# KiCad board keyboard - Hackpadv2.kicad_pcb (continued)
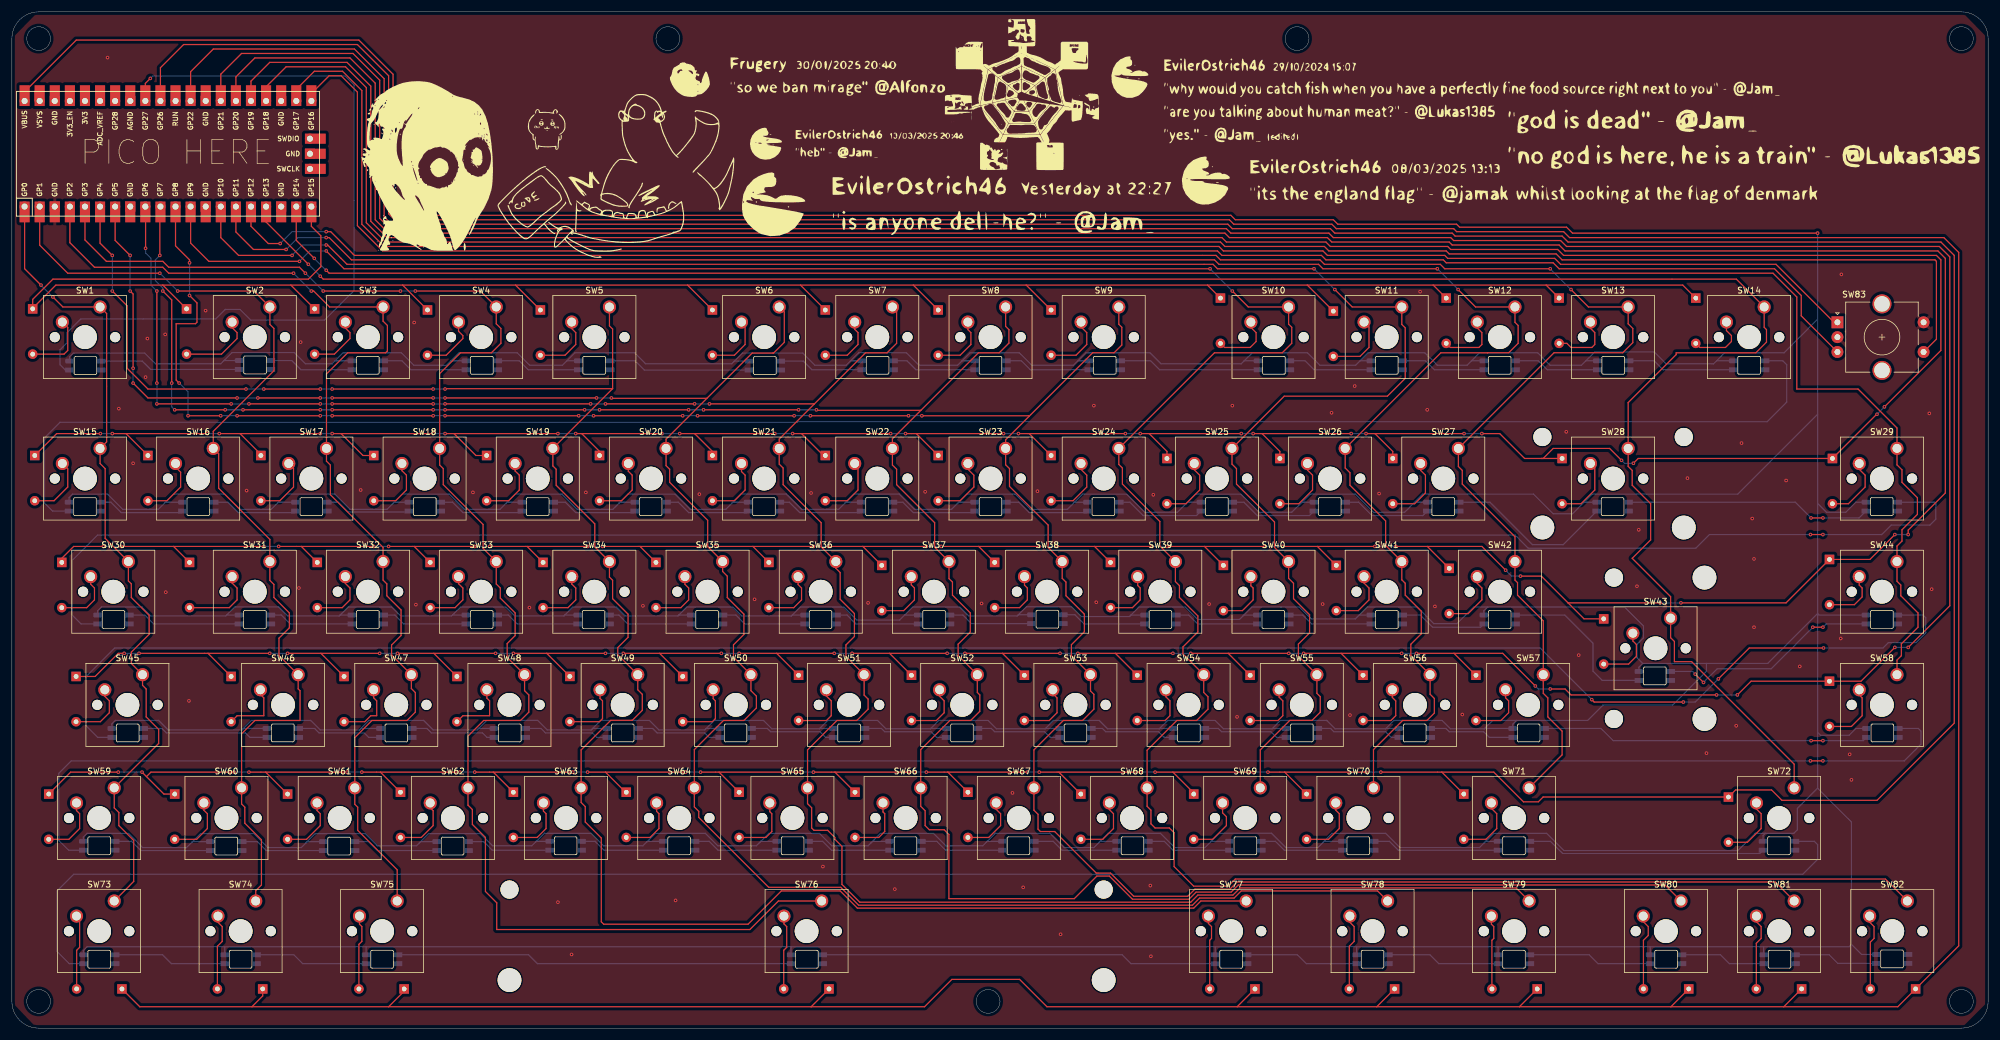
[diagram p0: board, top side]
## Routing (per net, layer and track width the routed paths; a pad name or vN(x,y) marks a point on that pad's centre or on a via; arc(x,y) is an arc through that point) (continued)
To5V: length 2544.2
  Top w0.2: v1(303.9,133.85) 262.65,133.85 261.65,134.85 243.65,134.85 243.15,135.35 223.15,135.35 222.4,136.1 205.9,136.1 205.15,136.85 64.9,136.85 64.15,137.6 64.15,160.6 58.4,166.35 10.83,166.35 2.14,157.66 U1.40
  Bottom w0.2: 253.24,51.8 249.2,51.8 247.8,50.4 ; 253.24,51.8 252.6,51.16 D139.3 247.85,50.45 247.8,50.4 ; 253.24,51.8 265.2,51.8 267.8,54.4 279.5,54.4 285.2,60.1 285.2,61.4 ; 216.9,88.35 218.45,89.9 226.1,89.9 229.15,86.85 234.4,86.85 235.9,88.35 ; 216.9,88.35 217.1,88.55 D108.3 ; 216.9,88.35 215.4,86.85 209.9,86.85 206.85,89.9 199.2,89.9 197.53,88.22 ; 247.75,31.15 249.4,32.8 258.3,32.8 261.2,29.9 290.5,29.9 293.4,32.8 295.1,32.8 ; 247.75,31.15 248.05,31.45 D153.3 ; 247.75,31.15 247,30.4 233.6,30.4 231.2,32.8 222.2,32.8 220.75,31.35 ; D120.3 169.4,69.6 169.3,69.5 ; 150.25,69.55 149.4,68.7 142.2,68.7 140,70.9 132.7,70.9 131.2,69.4 ; 150.25,69.55 151.6,70.9 159.5,70.9 161,69.4 169.2,69.4 169.3,69.5 ; 150.25,69.55 D119.3 ; 64.15,88.35 63.15,87.35 56.9,87.35 54.34,89.91 46.21,89.91 44.78,88.47 ; 64.15,88.35 65.7,89.9 73.6,89.9 76.15,87.35 82.15,87.35 83.15,88.35 ; 64.15,88.35 64.35,88.55 D100.3 ; 35.83,12.35 35.83,13.67 35.8,13.7 ; D106.3 178.85,88.55 178.78,88.47 ; D95.3 264.9,112.35 ; 264.9,112.35 266.4,113.85 276.4,113.85 278.4,111.85 286.4,111.85 286.9,112.35 ; 264.9,112.35 264.15,111.6 258.9,111.6 256.8,113.7 247,113.7 245.65,112.35 ; 197.53,88.22 197.85,88.55 200.12,88.55 ; 197.53,88.22 196.15,86.85 190.65,86.85 187.6,89.9 180.2,89.9 178.78,88.47 ; D109.3 236.1,88.55 235.9,88.35 ; D124.3 247.72,70.26 248.36,70.9 ; 38.7,50.2 40.3,51.8 50.3,51.8 51.9,50.2 58.5,50.2 ; 38.7,50.2 38.95,50.45 D128.3 ; 38.7,50.2 26.3,50.2 24.7,51.8 17.4,51.8 16.83,51.22 16.83,50.45 ; 182.95,31.25 184.5,32.8 193.3,32.8 195.7,30.4 200.8,30.4 201.75,31.35 ; 182.95,31.25 182.1,30.4 177.1,30.4 174.7,32.8 165.5,32.8 164,31.3 ; 182.95,31.25 183.15,31.45 D150.3 ; 154.6,50.4 154.65,50.45 D134.3 ; 154.6,50.4 147.1,50.4 145.7,51.8 137.3,51.8 135.9,50.4 ; 154.6,50.4 156,51.8 164.3,51.8 165.7,50.4 173.9,50.4 ; 68.6,31.2 68.1,30.7 61.5,30.7 59.45,32.75 51.05,32.75 49.5,31.2 ; 68.6,31.2 68.8,31.4 D144.3 ; 68.6,31.2 70.15,32.75 78.85,32.75 80.9,30.7 87.5,30.7 88.15,31.35 ; D84.3 35.7,112.4 35.65,112.35 ; 207.25,69.45 207.35,69.55 D122.3 ; 207.25,69.45 208.71,70.91 213.59,70.91 213.6,70.9 216.7,70.9 218.7,68.9 226.1,68.9 226.65,69.45 ; 207.25,69.45 206.6,68.8 199.6,68.8 197.5,70.9 189.7,70.9 188.25,69.45 ; D146.3 106.95,31.45 106.85,31.35 ; 121.53,112.22 121.6,112.3 D88.3 ; 121.53,112.22 122.95,113.65 133.1,113.65 135.15,111.6 140.4,111.6 141.15,112.35 ; 121.53,112.22 121.15,111.85 106.65,111.85 104.8,113.7 94.75,113.7 93.4,112.35 ; 303.9,119.35 298.25,113.7 288.25,113.7 286.9,112.35 ; 303.9,119.35 303.9,103.35 ; 303.9,119.35 v1(303.9,133.85) ; 159.9,112.35 159.15,111.6 152.65,111.6 150.54,113.71 144.15,113.71 144.14,113.71 142.51,113.71 141.15,112.35 ; 159.9,112.35 D90.3 ; 159.9,112.35 161.25,113.7 169.55,113.7 171.65,111.6 178.65,111.6 179.4,112.35 ; D116.3 93.05,69.55 92.9,69.4 ; 309.6,14.1 309.6,34.7 303.9,40.4 ; 309.6,14.1 309.2,13.7 294.8,13.7 ; 309.6,14.1 311.3,12.4 D164.3 ; 264.52,88.47 265.95,89.9 290.45,89.9 303.9,103.35 ; 264.52,88.47 262.65,86.6 259.4,86.6 256.1,89.9 237.45,89.9 235.9,88.35 ; 264.52,88.47 264.6,88.55 D110.3 ; D104.3 140.35,88.55 140.28,88.47 ; 102.15,88.35 102.35,88.55 D102.3 ; 102.15,88.35 101.15,87.35 95.15,87.35 92.6,89.9 84.7,89.9 83.15,88.35 ; 102.15,88.35 103.7,89.9 111.6,89.9 114.15,87.35 120.15,87.35 121.15,88.35 ; 35.8,13.7 12.66,13.7 12.03,13.06 D155.3 ; 35.8,13.7 59.6,13.7 ; D161.3 250.12,13.67 250.1,13.7 ; 97.5,50.2 99.1,51.8 107.3,51.8 108.9,50.2 116.6,50.2 116.7,50.3 ; 97.5,50.2 90.1,50.2 88.49,51.81 79.91,51.81 78.3,50.2 ; 97.5,50.2 97.75,50.45 D131.3 ; 78.3,50.2 70.9,50.2 69.3,51.8 60.1,51.8 58.5,50.2 ; 78.3,50.2 78.55,50.45 81.12,50.45 ; D89.3 141.15,112.35 ; 303.9,69.8 303.9,49.8 ; 303.9,69.8 304.15,69.55 D126.3 ; 303.9,69.8 303.9,88.35 ; 303.9,69.8 295.5,61.4 285.2,61.4 ; 303.9,49.8 304.4,49.3 309.2,49.3 310.35,50.45 D140.3 ; 303.9,49.8 303.9,40.4 ; 226.65,69.45 226.75,69.55 D123.3 ; 226.65,69.45 228.11,70.91 236.49,70.91 239.3,68.1 243.2,68.1 246,70.9 248.36,70.9 ; 226.9,112.35 228.25,113.7 237.8,113.7 239.9,111.6 244.9,111.6 245.65,112.35 ; 226.9,112.35 226.15,111.6 220.15,111.6 218.05,113.7 208.75,113.7 207.4,112.35 ; 226.9,112.35 D93.3 ; 44.78,88.47 43.65,87.35 38.4,87.35 35.85,89.9 27.2,89.9 25.78,88.47 ; 44.78,88.47 44.85,88.55 D99.3 ; 286.9,112.35 D96.3 ; 114.33,69.55 112.25,69.55 112.1,69.4 ; 144.55,31.15 144.85,31.45 D148.3 ; 144.55,31.15 146.2,32.8 155.1,32.8 157.2,30.7 163.4,30.7 164,31.3 ; 144.55,31.15 144.1,30.7 138,30.7 135.9,32.8 127.4,32.8 125.8,31.2 ; 25.78,88.47 24.65,87.35 18.65,87.35 16.1,89.9 10.2,89.9 9.62,89.32 D97.3 ; 25.78,88.47 25.85,88.55 D98.3 ; 55.2,69.5 55.25,69.55 D114.3 ; 55.2,69.5 56.6,70.9 63.9,70.9 65.4,69.4 74,69.4 74.15,69.55 ; 55.2,69.5 55.1,69.4 46.4,69.4 44.88,70.92 37.52,70.92 36.15,69.55 ; D159.3 202.53,13.62 202.6,13.7 ; 106.85,31.35 106.2,30.7 99.6,30.7 97.5,32.8 89.6,32.8 88.15,31.35 ; 106.85,31.35 108.3,32.8 116.7,32.8 118.8,30.7 125.3,30.7 125.8,31.2 ; 59.6,13.7 59.63,13.67 59.63,12.35 ; 59.6,13.7 131.1,13.7 ; 179.4,112.35 180.75,113.7 191.55,113.7 193.4,111.85 206.9,111.85 207.4,112.35 ; 179.4,112.35 D91.3 ; 212.1,50.4 212.15,50.45 D137.3 ; 212.1,50.4 213.5,51.8 221.3,51.8 222.7,50.4 231.2,50.4 ; 212.1,50.4 203.9,50.4 202.5,51.8 194.5,51.8 193.1,50.4 ; 93.4,112.35 92.65,111.6 87.15,111.6 85.05,113.7 75.25,113.7 73.9,112.35 ; 93.4,112.35 D87.3 ; 140.28,88.47 141.71,89.91 149.34,89.91 151.9,87.35 158.15,87.35 159.15,88.35 ; 140.28,88.47 139.15,87.35 132.9,87.35 130.33,89.92 122.72,89.92 121.15,88.35 ; 303.9,103.35 303.9,88.35 ; 294.8,13.7 294.83,13.67 D163.3 ; 294.8,13.7 275.7,13.7 ; 247.8,50.4 242.1,50.4 240.7,51.8 232.6,51.8 231.2,50.4 ; 231.2,50.4 231.25,50.45 D138.3 ; 201.75,31.35 201.85,31.45 D151.3 ; 201.75,31.35 203.21,32.81 211.99,32.81 214.4,30.4 219.8,30.4 220.75,31.35 ; 92.9,69.4 84.6,69.4 83.1,70.9 75.5,70.9 74.15,69.55 ; 92.9,69.4 94.4,70.9 101.7,70.9 103.2,69.4 112.1,69.4 ; 30.3,31.3 30.4,31.4 D142.3 ; 30.3,31.3 29.4,30.4 22,30.4 19.6,32.8 12.66,32.8 12.03,32.16 D141.3 ; 30.3,31.3 31.75,32.75 40.75,32.75 43.1,30.4 48.7,30.4 49.5,31.2 ; D149.3 164.15,31.45 164,31.3 ; 188.25,69.45 188.35,69.55 190.62,69.55 ; 188.25,69.45 188.1,69.3 180,69.3 178.35,70.95 170.75,70.95 169.3,69.5 ; 220.75,31.35 220.85,31.45 D152.3 ; 49.5,31.2 49.7,31.4 D143.3 ; 131.1,13.7 131.12,13.67 D158.3 ; 131.1,13.7 202.6,13.7 ; 112.1,69.4 113.6,70.9 121.3,70.9 122.8,69.4 131.2,69.4 ; 303.9,40.4 300.5,37 300.5,33.4 299.9,32.8 295.1,32.8 ; 76.43,112.35 73.9,112.35 ; 73.9,112.35 73.15,111.6 67.65,111.6 65.55,113.7 55.75,113.7 54.4,112.35 ; 125.8,31.2 126.05,31.45 D147.3 ; 173.9,50.4 175.3,51.8 183,51.8 184.4,50.4 193.1,50.4 ; 173.9,50.4 173.95,50.45 D135.3 ; 275.7,13.7 250.1,13.7 ; 275.7,13.7 275.73,13.67 D162.3 ; 58.5,50.2 58.75,50.45 D129.3 ; D132.3 116.85,50.45 116.7,50.3 ; 226.3,13.7 202.6,13.7 ; 226.3,13.7 226.33,13.67 D160.3 ; 226.3,13.7 250.1,13.7 ; 35.65,112.35 37.05,113.75 47.5,113.75 49.4,111.85 53.9,111.85 54.4,112.35 ; 35.65,112.35 35.15,111.85 24.15,111.85 22.35,113.65 10.34,113.65 9.7,113.01 D83.3 ; 245.65,112.35 D94.3 ; D136.3 193.15,50.45 193.1,50.4 ; 295.1,32.8 294.73,32.42 D154.3 ; 83.15,88.35 83.35,88.55 D101.3 ; 178.78,88.47 177.65,87.35 171.4,87.35 168.85,89.9 160.7,89.9 159.15,88.35 ; 135.9,50.4 135.95,50.45 D133.3 ; 135.9,50.4 127.9,50.4 126.5,51.8 118.2,51.8 116.7,50.3 ; 285.2,61.4 274.46,61.4 ; 248.36,70.9 271.4,70.9 274.6,67.7 274.6,65.7 273.5,64.6 273.5,62.36 274.46,61.4 ; D105.3 159.35,88.55 159.15,88.35 ; D85.3 54.4,112.35 ; 121.15,88.35 121.35,88.55 D103.3 ; D111.3 310.35,88.55 308.64,86.85 305.4,86.85 303.9,88.35 ; 207.4,112.35 D92.3 ; D125.3 273.83,60.76 274.46,61.4 ; 88.15,31.35 88.25,31.45 D145.3 ; D115.3 74.15,69.55 ; 133.43,69.55 131.35,69.55 131.2,69.4 ; 36.15,69.55 D113.3 ; 36.15,69.55 36,69.4 23.4,69.4 21.9,70.9 15.06,70.9 14.43,70.26 14.43,69.55
ToLEDDataRow1: length 321.6
  Bottom w0.2: D97.4 6.85,87.05 5.5,88.4 5.5,99.4 8.1,102 132.2,102 132.3,102.1 295.4,102.1 298.7,105.4 298.7,111.7 298.05,112.35 D96.2
ToLEDDataRow2: length 341.6
  Top w0.2: v1(304.8,83.1) v1(302.7,83.1)
  Bottom w0.2: v1(304.8,83.1) 314.7,83.1 316.3,84.7 322.8,84.7 323.8,85.7 323.8,88.3 323.55,88.55 D111.2 ; 14.43,68.05 11.65,68.05 10.1,69.6 10.1,78.7 14.4,83 253,83 255.2,80.8 283.4,80.8 285.7,83.1 v1(302.7,83.1)
ToLEDDataRow3: length 341.1
  Top w0.2: v1(281.3,54.9) 266.3,54.9 v1(265.9,55.3) ; v1(287.2,58.8) 292.4,64 v1(304.9,64)
  Bottom w0.2: v1(281.3,54.9) 283.3,54.9 v1(287.2,58.8) ; 16.83,48.95 14.45,48.95 12.5,50.9 12.5,59.2 17.3,64 257.2,64 v1(265.9,55.3) ; v1(304.9,64) 314.9,64 315.8,64.9 320.5,64.9 322.1,66.5 322.1,69.1 321.65,69.55 D126.2
ToLEDDataRow4: length 337.7
  Top w0.2: v1(304.8,45) v1(302.7,45)
  Bottom w0.2: v1(302.7,45) 10,45 7.9,42.9 7.9,31.6 9.55,29.95 D141.4 ; v1(304.8,45) 318.5,45 321.3,47.8 321.3,50 320.85,50.45 D140.2
ToLEDDataRow5: length 320.5
  Bottom w0.2: D154.2 303.35,31.45 303.9,30.9 303.9,28.4 301.4,25.9 10.4,25.9 7.6,23.1 7.6,12.9 9.65,10.85 D155.4
Net-(D1-A): length 11.3
  Top w0.2: D1.2 8.78,113.48 9.4,114.1 9.4,117.97 SW1.2
Net-(D2-A): length 12.7
  Top w0.2: SW2.2 37.07,117.93 37.9,117.1 37.9,116.1 35.28,113.48 D2.2
Net-(D3-A): length 10.1
  Top w0.2: D3.2 54.28,113.48 56.9,116.1 56.9,117.1 56.12,117.88 SW3.2
Net-(D4-A): length 10.2
  Top w0.2: D4.2 73.09,113.29 75.9,116.1 75.9,116.6 75.17,117.33 SW4.2
Net-(D5-A): length 10.8
  Top w0.2: D5.2 93.09,113.29 94.9,115.1 94.9,117.1 94.22,117.78 SW5.2
Net-(D6-A): length 10.3
  Top w0.2: SW6.2 123.4,118.27 123.4,115.1 121.59,113.29 D6.2
Net-(D7-A): length 10.3
  Top w0.2: SW7.2 141.85,117.65 142.4,117.1 142.4,115.1 140.59,113.29 D7.2
Net-(D8-A): length 10.2
  Top w0.2: D8.2 159.59,113.29 161.4,115.1 161.4,117.1 160.9,117.6 SW8.2
Net-(D9-A): length 10.9
  Top w0.2: D9.2 179.09,113.29 180.9,115.1 180.9,117.1 179.95,118.05 SW9.2
Net-(D10-A): length 10.3
  Top w0.2: D10.2 204.09,114.6 208.4,114.6 209.4,115.6 209.4,117.1 208.52,117.98 SW10.2
Net-(D11-A): length 11.2
  Top w0.2: SW11.2 228.4,118.05 228.4,114.6 226.9,113.1 D11.2
Net-(D12-A): length 10.6
  Top w0.2: D12.2 242.09,114.6 246.9,114.6 247.4,115.1 247.4,117.1 246.62,117.88 SW12.2
Net-(D13-A): length 10.6
  Top w0.2: D13.2 261.71,115.29 262.4,114.6 265.9,114.6 266.4,115.1 266.4,117.1 265.67,117.83 SW13.2
Net-(D14-A): length 10.3
  Top w0.2: SW14.2 288.56,117.44 289.4,116.6 289.4,115.6 288.4,114.6 284.09,114.6 D14.2
Net-(D15-A): length 10.8
  Top w0.2: SW15.2 9.4,94.16 9.4,91.1 7.09,88.79 D15.2
Net-(D16-A): length 10.8
  Top w0.2: D16.2 26.09,88.79 28.4,91.1 28.4,93.6 27.55,94.45 SW16.2
Net-(D17-A): length 10.8
  Top w0.2: D17.2 45.09,88.79 47.4,91.1 47.4,94.26 SW17.2
Net-(D18-A): length 11
  Top w0.2: SW18.2 65.65,93.85 66.4,93.1 66.4,90.6 64.59,88.79 D18.2
Net-(D19-A): length 11
  Top w0.2: D19.2 83.59,88.79 85.4,90.6 85.4,93.1 84.7,93.8 SW19.2
Net-(D20-A): length 11
  Top w0.2: D20.2 102.59,88.79 104.4,90.6 104.4,93.1 103.75,93.75 SW20.2
Net-(D21-A): length 11
  Top w0.2: SW21.2 122.8,93.7 123.4,93.1 123.4,90.6 121.59,88.79 D21.2
Net-(D22-A): length 10.9
  Top w0.2: D22.2 140.59,88.79 142.4,90.6 142.4,94.51 SW22.2
Net-(D23-A): length 11.3
  Top w0.2: SW23.2 160.9,94.1 161.9,93.1 161.9,91.1 159.59,88.79 D23.2
Net-(D24-A): length 11.3
  Top w0.2: SW24.2 179.95,94.05 180.9,93.1 180.9,91.1 178.59,88.79 D24.2
Net-(D25-A): length 11.3
  Top w0.2: SW25.2 199,94 199.9,93.1 199.9,90.6 197.59,88.29 D25.2
Net-(D26-A): length 11.3
  Top w0.2: SW26.2 218.05,93.95 218.9,93.1 218.9,90.6 216.59,88.29 D26.2
Net-(D27-A): length 11.5
  Top w0.2: D27.2 236.09,88.29 237.9,90.1 237.9,93.1 237.1,93.9 SW27.2
Net-(D28-A): length 11.2
  Top w0.2: SW28.2 266.4,94.34 266.4,90.6 264.09,88.29 D28.2
Net-(D29-A): length 11
  Top w0.2: D29.2 309.09,88.29 311.9,91.1 311.9,93.1 310.91,94.09 SW29.2
Net-(D30-A): length 10.2
  Top w0.2: D30.2 12.59,70.79 13.9,72.1 13.9,74.1 13.26,74.74 SW30.2
Net-(D31-A): length 12.8
  Top w0.2: D31.2 36.59,70.79 37.9,72.1 37.9,74.1 37.07,74.93 SW31.2
Net-(D32-A): length 10.3
  Top w0.2: SW32.2 56.12,74.88 56.9,74.1 56.9,72.1 55.59,70.79 D32.2
Net-(D33-A): length 10.3
  Top w0.2: SW33.2 75.17,74.83 75.9,74.1 75.9,72.1 74.59,70.79 D33.2
Net-(D34-A): length 10.2
  Top w0.2: SW34.2 94.22,74.78 94.9,74.1 94.9,72.1 93.59,70.79 D34.2
Net-(D35-A): length 10.2
  Top w0.2: D35.2 112.59,70.79 113.9,72.1 113.9,74.1 113.27,74.73 SW35.2
Net-(D36-A): length 10.2
  Top w0.2: D36.2 131.59,70.79 132.9,72.1 132.9,74.1 132.32,74.68 SW36.2
Net-(D37-A): length 10.4
  Top w0.2: D37.2 150.09,70.29 151.9,72.1 151.9,74.1 151.37,74.63 SW37.2
Net-(D38-A): length 10.2
  Top w0.2: SW38.2 170.42,74.58 170.9,74.1 170.9,72.1 169.59,70.79 D38.2
Net-(D39-A): length 9.6
  Top w0.2: SW39.2 189.47,74.53 189.9,74.1 189.9,72.1 188.59,70.79 D39.2
Net-(D40-A): length 9.8
  Top w0.2: SW40.2 208.52,74.48 208.9,74.1 208.9,72.1 207.09,70.29 D40.2
Net-(D41-A): length 10.5
  Top w0.2: D41.2 226.59,70.29 228.4,72.1 228.4,74.1 227.57,74.93 SW41.2
Net-(D42-A): length 10.7
  Top w0.2: SW42.2 246.62,74.88 247.4,74.1 247.4,72.1 245.09,69.79 D42.2
Net-(D43-A): length 10.2
  Top w0.2: D43.2 272.09,61.29 273.4,62.6 273.4,64.6 272.81,65.19 SW43.2
Net-(D44-A): length 9.7
  Top w0.2: D44.2 310.09,71.29 311.4,72.6 311.4,74.1 310.91,74.59 SW44.2
Net-(D45-A): length 10.4
  Top w0.2: SW45.2 15.64,55.86 16.4,55.1 16.4,53.1 14.89,51.59 D45.2
Net-(D46-A): length 10.5
  Top w0.2: SW46.2 41.83,56.17 42.4,55.6 42.4,52.6 37.91,52.6 D46.2
Net-(D47-A): length 10.5
  Top w0.2: D47.2 59.39,51.59 60.4,52.6 61.4,52.6 61.4,55.1 60.88,55.62 SW47.2
Net-(D48-A): length 10.5
  Top w0.2: D48.2 75.91,52.6 80.4,52.6 80.4,55.1 79.93,55.57 SW48.2
Net-(D49-A): length 10.7
  Top w0.2: D49.2 98.9,51.6 99.4,52.1 99.4,55.1 98.98,55.52 SW49.2
Net-(D50-A): length 10.7
  Top w0.2: D50.2 117.89,51.59 118.4,52.1 118.4,55.1 118.03,55.47 SW50.2
Net-(D51-A): length 10.5
  Top w0.2: D51.2 137.09,51.79 137.9,52.6 137.9,55.1 137.08,55.92 SW51.2
Net-(D52-A): length 10.2
  Top w0.2: SW52.2 156.13,55.87 156.9,55.1 156.9,53.1 155.59,51.79 D52.2
Net-(D53-A): length 10.2
  Top w0.2: SW53.2 175.18,56.32 175.9,55.6 175.9,53.1 174.59,51.79 D53.2
Net-(D54-A): length 10.5
  Top w0.2: SW54.2 194.23,55.77 194.9,55.1 194.9,52.6 194.09,51.79 D54.2
Net-(D55-A): length 10.5
  Top w0.2: D55.2 213.09,51.79 213.9,52.6 213.9,55.1 213.28,55.72 SW55.2
Net-(D56-A): length 10.4
  Top w0.2: D56.2 232.09,51.79 232.9,52.6 232.9,55.1 232.33,55.67 SW56.2
Net-(D57-A): length 10.1
  Top w0.2: SW57.2 251.38,55.62 251.9,55.1 251.9,53.1 250.59,51.79 D57.2
Net-(D58-A): length 10.8
  Top w0.2: D58.2 309.59,50.79 311.4,52.6 311.4,55.6 310.91,56.09 SW58.2
Net-(D59-A): length 10.5
  Top w0.2: D59.2 9.59,31.79 11.4,33.6 11.4,36.1 10.88,36.62 SW59.2
Net-(D60-A): length 10.8
  Top w0.2: SW60.2 32.31,36.69 32.9,36.1 32.9,33.6 31.09,31.79 D60.2
Net-(D61-A): length 10.5
  Top w0.2: SW61.2 51.36,36.64 51.9,36.1 51.9,34.1 49.59,31.79 D61.2
Net-(D62-A): length 10.3
  Top w0.2: SW62.2 70.41,37.09 70.9,36.6 70.9,34.1 68.9,32.1 D62.2
Net-(D63-A): length 10.6
  Top w0.2: D63.2 88.4,32.1 89.9,33.6 89.9,36.1 89.46,36.54 SW63.2
Net-(D64-A): length 10.6
  Top w0.2: SW64.2 108.51,36.49 108.9,36.1 108.9,33.6 107.4,32.1 D64.2
Net-(D65-A): length 10.9
  Top w0.2: D65.2 126.9,32.1 127.9,33.1 127.9,36.1 127.56,36.44 SW65.2
Net-(D66-A): length 10.4
  Top w0.2: D66.2 145.9,32.1 146.9,33.1 146.9,36.1 146.61,36.39 SW66.2
Net-(D67-A): length 10.5
  Top w0.2: D67.2 164.4,32.1 166.4,34.1 166.4,36.1 165.66,36.84 SW67.2
Net-(D68-A): length 10.9
  Top w0.2: D68.2 183.59,31.79 185.4,33.6 185.4,36.1 184.71,36.79 SW68.2
Net-(D69-A): length 10.5
  Top w0.2: D69.2 202.09,31.79 204.4,34.1 204.4,35.6 203.76,36.24 SW69.2
Net-(D70-A): length 10.8
  Top w0.2: SW70.2 222.81,36.69 223.4,36.1 223.4,33.6 221.59,31.79 D70.2
Net-(D71-A): length 11
  Top w0.2: SW71.2 249,37 249.9,36.1 249.9,33.6 248.09,31.79 D71.2
Net-(D72-A): length 11.1
  Top w0.2: SW72.2 293.61,36.89 294.4,36.1 294.4,33.6 292.09,31.29 D72.2
Net-(D73-A): length 12.7
  Top w0.2: D73.2 10.9,13.1 11.4,13.6 11.4,18.34 SW73.2
Net-(D74-A): length 12.9
  Top w0.2: SW74.2 34.69,17.81 35.4,17.1 35.4,14.6 34.59,13.79 D74.2
Net-(D75-A): length 12.6
  Top w0.2: D75.2 58.4,14.1 58.9,14.6 58.9,17.1 58.5,17.5 SW75.2
Net-(D76-A): length 12.7
  Top w0.2: SW76.2 129.94,17.56 130.4,17.1 130.4,13.6 129.9,13.1 D76.2
Net-(D77-A): length 12.6
  Top w0.2: SW77.2 201.38,17.62 201.9,17.1 201.9,15.1 201.59,14.79 D77.2
Net-(D78-A): length 12.9
  Top w0.2: SW78.2 225.19,17.81 225.9,17.1 225.9,14.6 225.09,13.79 D78.2
Net-(D79-A): length 12.6
  Top w0.2: SW79.2 249,17.5 249.4,17.1 249.4,15.1 249.09,14.79 D79.2
Net-(D80-A): length 12.9
  Top w0.2: D80.2 274.59,14.79 275.4,15.6 275.4,17.1 274.56,17.94 SW80.2
Net-(D81-A): length 12.9
  Top w0.2: SW81.2 293.61,17.89 294.4,17.1 294.4,15.1 293.59,14.29 D81.2
Net-(D82-A): length 12.8
  Top w0.2: D82.2 312.78,14.48 313.4,15.1 313.4,17.1 312.66,17.84 SW82.2
Net-(D83-DOUT): length 23.8
  Bottom w0.2: D83.2 21.95,112.3 23.35,110.9 D84.4
Net-(D84-DOUT): length 14.3
  Bottom w0.2: D84.2 47.1,112.4 48.65,110.85 D85.4
Net-(D85-DOUT): length 14.5
  Bottom w0.2: D85.2 65.65,112.35 67.15,110.85 76.43,110.85
Net-(D86-DOUT): length 14.2
  Bottom w0.2: D86.2 85.4,112.35 86.9,110.85 D87.4
Net-(D87-DOUT): length 24
  Bottom w0.2: D87.2 104.9,112.35 106.45,110.8 D88.4
Net-(D88-DOUT): length 14.2
  Bottom w0.2: D89.4 134.65,110.85 133.2,112.3 D88.2
Net-(D89-DOUT): length 14.3
  Bottom w0.2: D89.2 150.65,112.35 152.15,110.85 D90.4
Net-(D90-DOUT): length 14.5
  Bottom w0.2: D91.4 171.4,110.85 169.9,112.35 D90.2
Net-(D91-DOUT): length 23.7
  Bottom w0.2: D91.2 191.65,112.35 193.15,110.85 D92.4
Net-(D92-DOUT): length 14.3
  Bottom w0.2: D93.4 219.15,110.85 217.65,112.35 D92.2
Net-(D93-DOUT): length 14.3
  Bottom w0.2: D94.4 239.4,110.85 237.9,112.35 D93.2
Net-(D94-DOUT): length 14.4
  Bottom w0.2: D95.4 258.4,110.85 256.9,112.35 D94.2
Net-(D95-DOUT): length 18.1
  Bottom w0.2: D95.2 276.4,112.35 277.9,110.85 D96.4
Net-(D97-DOUT): length 14.6
  Bottom w0.2: D98.4 28.45,86.8 18.4,86.8 16.65,88.55 14.98,88.55
Net-(D98-DOUT): length 14.5
  Bottom w0.2: D99.4 47.48,86.8 38.1,86.8 36.35,88.55 D98.2
Net-(D100-DIN): length 14.5
  Bottom w0.2: D99.2 54.95,88.55 56.6,86.9 66.68,86.9 D100.4
Net-(D100-DOUT): length 14.5
  Bottom w0.2: D101.4 85.58,86.8 75.9,86.8 74.15,88.55 72.18,88.55
Net-(D101-DOUT): length 14.5
  Bottom w0.2: D101.2 93.15,88.55 94.9,86.8 104.58,86.8 D102.4
Net-(D102-DOUT): length 14.6
  Bottom w0.2: D103.4 123.65,86.8 113.9,86.8 112.15,88.55 D102.2
Net-(D103-DOUT): length 14.5
  Bottom w0.2: D103.2 130.85,88.55 132.6,86.8 142.68,86.8 D104.4
Net-(D104-DOUT): length 14.6
  Bottom w0.2: D105.4 161.78,86.8 151.7,86.8 149.95,88.55 D104.2
Net-(D105-DOUT): length 14.5
  Bottom w0.2: D105.2 169.45,88.55 171.2,86.8 180.78,86.8 D106.4
Net-(D106-DOUT): length 15
  Bottom w0.2: 200.12,87.05 199.38,86.3 190.4,86.3 188.15,88.55 D106.2
Net-(D107-DOUT): length 14.9
  Bottom w0.2: D107.2 207.35,88.55 209.6,86.3 218.38,86.3 D108.4
Net-(D108-DOUT): length 15
  Bottom w0.2: D108.2 226.65,88.55 228.9,86.3 237.47,86.3 D109.4
Net-(D109-DOUT): length 28.5
  Bottom w0.2: D109.2 248.75,88.55 255.9,81.4 261.08,81.4 D110.4
Net-(D110-DOUT): length 41.5
  Top w0.2: v1(302.8,85.9) v1(304.8,85.9)
  Bottom w0.2: D111.4 310.88,85.9 v1(304.8,85.9) ; v1(302.8,85.9) 300.15,88.55 D110.2
Net-(D112-DOUT): length 19.1
  Bottom w0.2: D112.2 22.35,69.55 23.85,68.05 D113.4
Net-(D113-DOUT): length 14.3
  Bottom w0.2: D114.4 46.85,68.05 45.35,69.55 D113.2
Net-(D114-DOUT): length 14.4
  Bottom w0.2: D114.2 64.45,69.55 65.95,68.05 D115.4
Net-(D115-DOUT): length 14.1
  Bottom w0.2: D116.4 85.05,68.05 83.55,69.55 D115.2
Net-(D116-DOUT): length 14.4
  Bottom w0.2: 114.33,68.05 103.65,68.05 102.15,69.55 D116.2
Net-(D117-DOUT): length 14.4
  Bottom w0.2: D117.2 121.85,69.55 123.35,68.05 133.43,68.05
Net-(D118-DOUT): length 14.4
  Bottom w0.2: D119.4 142.05,68.05 140.55,69.55 D118.2
Net-(D119-DOUT): length 14.3
  Bottom w0.2: D120.4 161.5,68.1 160.05,69.55 D119.2
Net-(D120-DOUT): length 14.3
  Bottom w0.2: D120.2 178.9,69.6 180.45,68.05 190.62,68.05
Net-(D121-DOUT): length 14.3
  Bottom w0.2: D121.2 198.05,69.55 199.55,68.05 D122.4
Net-(D122-DOUT): length 14.4
  Bottom w0.2: D123.4 218.75,68.05 217.25,69.55 D122.2
Net-(D123-DOUT): length 14.7
  Bottom w0.2: D123.2 237.05,69.55 239.1,67.5 247.18,67.5 D124.4
Net-(D124-DOUT): length 28.1
  Bottom w0.2: D125.4 267.65,58.55 266.1,60.1 266.1,64.8 261.35,69.55 D124.2
Net-(D125-DOUT): length 37.7
  Top w0.2: v1(283.3,59.6) v1(284.7,58.2) ; v1(303.1,67.5) v1(304.8,67.5)
  Bottom w0.2: v1(284.7,58.2) 287,60.5 296.1,60.5 v1(303.1,67.5) ; v1(304.8,67.5) 305.35,68.05 D126.4 ; D125.2 282.85,60.05 v1(283.3,59.6)
Net-(D127-DOUT): length 21.4
  Bottom w0.2: D128.4 40.05,48.95 39.3,49.7 26,49.7 25.25,50.45 D127.2
Net-(D128-DOUT): length 14.4
  Bottom w0.2: D129.4 60.05,48.95 59.3,49.7 51.7,49.7 50.95,50.45 D128.2
Net-(D129-DOUT): length 14.4
  Bottom w0.2: D129.2 69.85,50.45 70.6,49.7 79.2,49.7 79.95,48.95 81.12,48.95
Net-(D130-DOUT): length 14.3
  Bottom w0.2: D130.2 89.05,50.45 89.8,49.7 97.7,49.7 98.45,48.95 D131.4
Net-(D131-DOUT): length 14.3
  Bottom w0.2: D131.2 107.85,50.45 108.6,49.7 116.6,49.7 117.35,48.95 D132.4
Net-(D132-DOUT): length 14.4
  Bottom w0.2: D133.4 136.95,48.95 136,49.9 127.7,49.9 127.15,50.45 124.48,50.45
Net-(D133-DOUT): length 14.3
  Bottom w0.2: D133.2 146.35,50.45 146.9,49.9 154.7,49.9 155.65,48.95 D134.4
Net-(D134-DOUT): length 14.4
  Bottom w0.2: D135.4 174.75,48.95 173.8,49.9 165.4,49.9 164.85,50.45 D134.2
Net-(D135-DOUT): length 14.4
  Bottom w0.2: D136.4 193.95,48.95 193,49.9 184.1,49.9 183.55,50.45 181.68,50.45
Net-(D136-DOUT): length 14.3
  Bottom w0.2: D137.4 212.85,48.95 211.9,49.9 203.6,49.9 203.05,50.45 D136.2
Net-(D137-DOUT): length 14.3
  Bottom w0.2: D137.2 221.95,50.45 222.5,49.9 231.2,49.9 232.15,48.95 D138.4
Net-(D138-DOUT): length 14.4
  Bottom w0.2: D139.4 248.65,48.95 247.7,49.9 241.9,49.9 241.35,50.45 D138.2
Net-(D139-DOUT): length 55.3
  Top w0.2: v1(302.8,48.4) v1(304.8,48.4)
  Bottom w0.2: v1(302.8,48.4) 269.5,48.4 267.45,50.45 D139.2 ; v1(304.8,48.4) 311.58,48.4 D140.4
Net-(D141-DOUT): length 16.7
  Bottom w0.2: D142.4 21.7,29.9 20.15,31.45 17.38,31.45
Net-(D142-DOUT): length 14.3
  Bottom w0.2: D143.4 42.8,29.9 41.3,31.4 D142.2
Net-(D143-DOUT): length 14.4
  Bottom w0.2: D144.4 61.5,29.9 60,31.4 D143.2
Net-(D144-DOUT): length 14.3
  Bottom w0.2: D145.4 80.85,29.95 79.4,31.4 D144.2
Net-(D145-DOUT): length 14.4
  Bottom w0.2: D146.4 99.65,29.95 98.15,31.45 D145.2
Net-(D146-DOUT): length 14.4
  Bottom w0.2: D147.4 118.85,29.95 117.35,31.45 114.98,31.45
Net-(D147-DOUT): length 14.3
  Bottom w0.2: D147.2 136.45,31.45 137.95,29.95 D148.4
Net-(D148-DOUT): length 14.3
  Bottom w0.2: D148.2 155.65,31.45 157.15,29.95 D149.4
Net-(D149-DOUT): length 14.5
  Bottom w0.2: D149.2 175.25,31.45 176.75,29.95 D150.4
Net-(D150-DOUT): length 14.3
  Bottom w0.2: D150.2 193.95,31.45 195.45,29.95 D151.4
Net-(D151-DOUT): length 14.3
  Bottom w0.2: D151.2 212.65,31.45 214.15,29.95 D152.4
Net-(D152-DOUT): length 21.5
  Bottom w0.2: D153.4 233.35,29.95 231.85,31.45 D152.2
Net-(D153-DOUT): length 40.3
  Bottom w0.2: D154.4 294.18,29.4 261,29.4 258.95,31.45 D153.2
Net-(D155-DOUT): length 19.1
  Bottom w0.2: 17.38,12.35 25.35,12.35 26.85,10.85 35.83,10.85
Net-(D156-DOUT): length 19.1
  Bottom w0.2: D156.2 47.45,12.35 48.95,10.85 59.63,10.85
Net-(D157-DOUT): length 66.8
  Bottom w0.2: D157.2 86.95,12.35 88.45,10.85 D158.4
Net-(D158-DOUT): length 66.7
  Bottom w0.2: D159.4 188.35,10.85 186.85,12.35 136.48,12.35
Net-(D159-DOUT): length 19.1
  Bottom w0.2: D160.4 217.85,10.85 216.35,12.35 D159.2
Net-(D160-DOUT): length 19.1
  Bottom w0.2: D161.4 240.15,10.85 238.65,12.35 D160.2
Net-(D161-DOUT): length 20.9
  Bottom w0.2: D161.2 265.45,12.35 266.95,10.85 D162.4
Net-(D162-DOUT): length 14.4
  Bottom w0.2: D162.2 287.55,12.35 289.05,10.85 D163.4
Net-(D163-DOUT): length 14.2
  Bottom w0.2: D164.4 307.3,10.9 305.85,12.35 D163.2
unconnected-(U1-VSYS-Pad39): length 1.6
  Top w0.2: 3.89,156.18 3.89,157.74

## Copper pours and planes (outline as drawn; the poured copper is in the pictures)
GND on Top, Bottom: 4.2,0 0,4.4 0,166.6 4.4,171.1 328.2,171.1 332.6,166.6 332.6,4.5 328.1,0

## Text on the board
B.Silkscreen: Just Another Hackboard
F.Silkscreen: PICO HERE
